# Altium PCB SNES TST.PcbDoc (part 1 of 3) (continued)
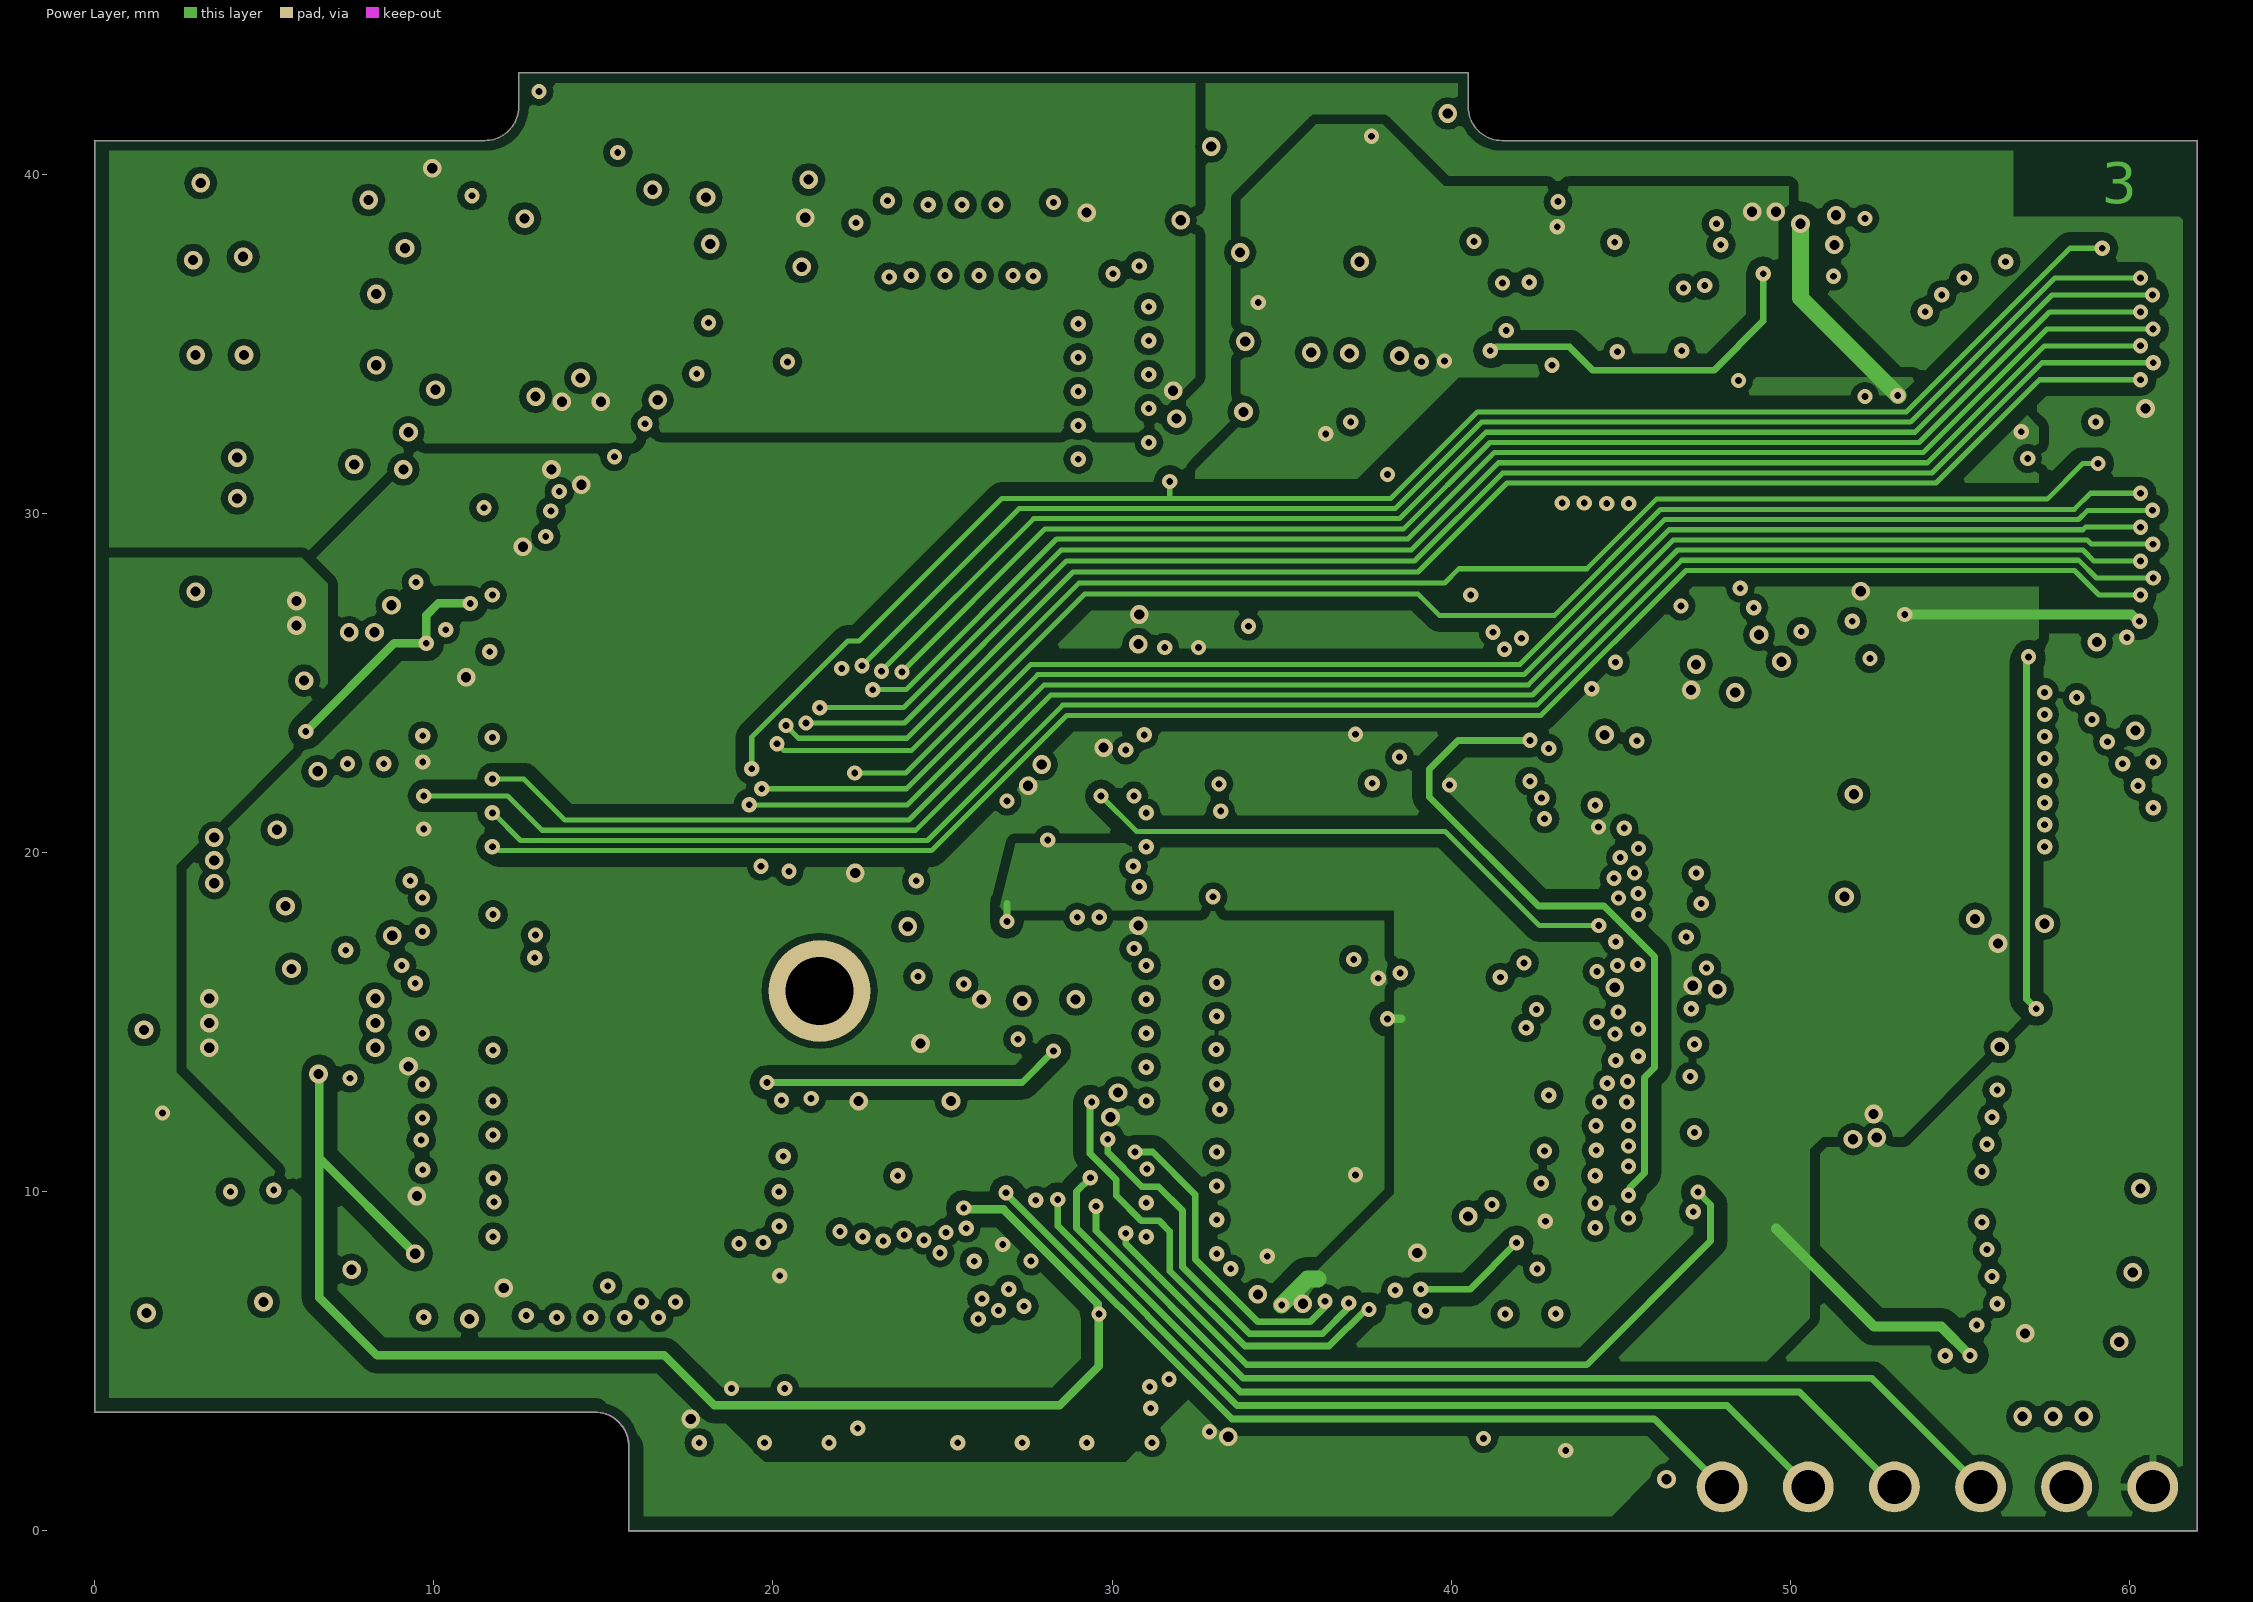
[diagram p3: Power Layer]
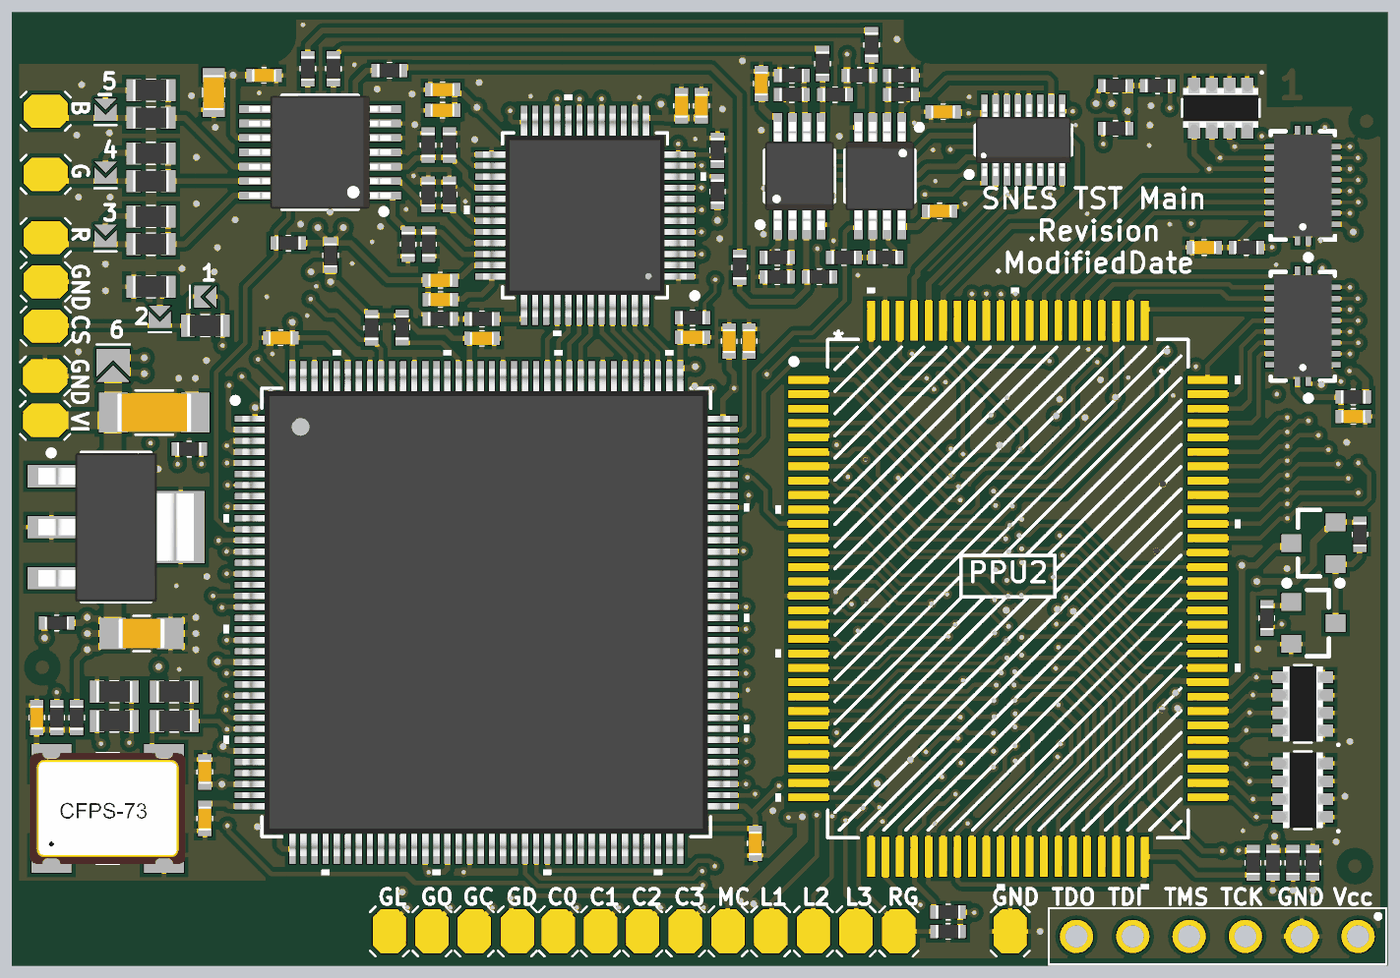
[diagram p6: 3D render of the assembled board from above, using the file's embedded part models]
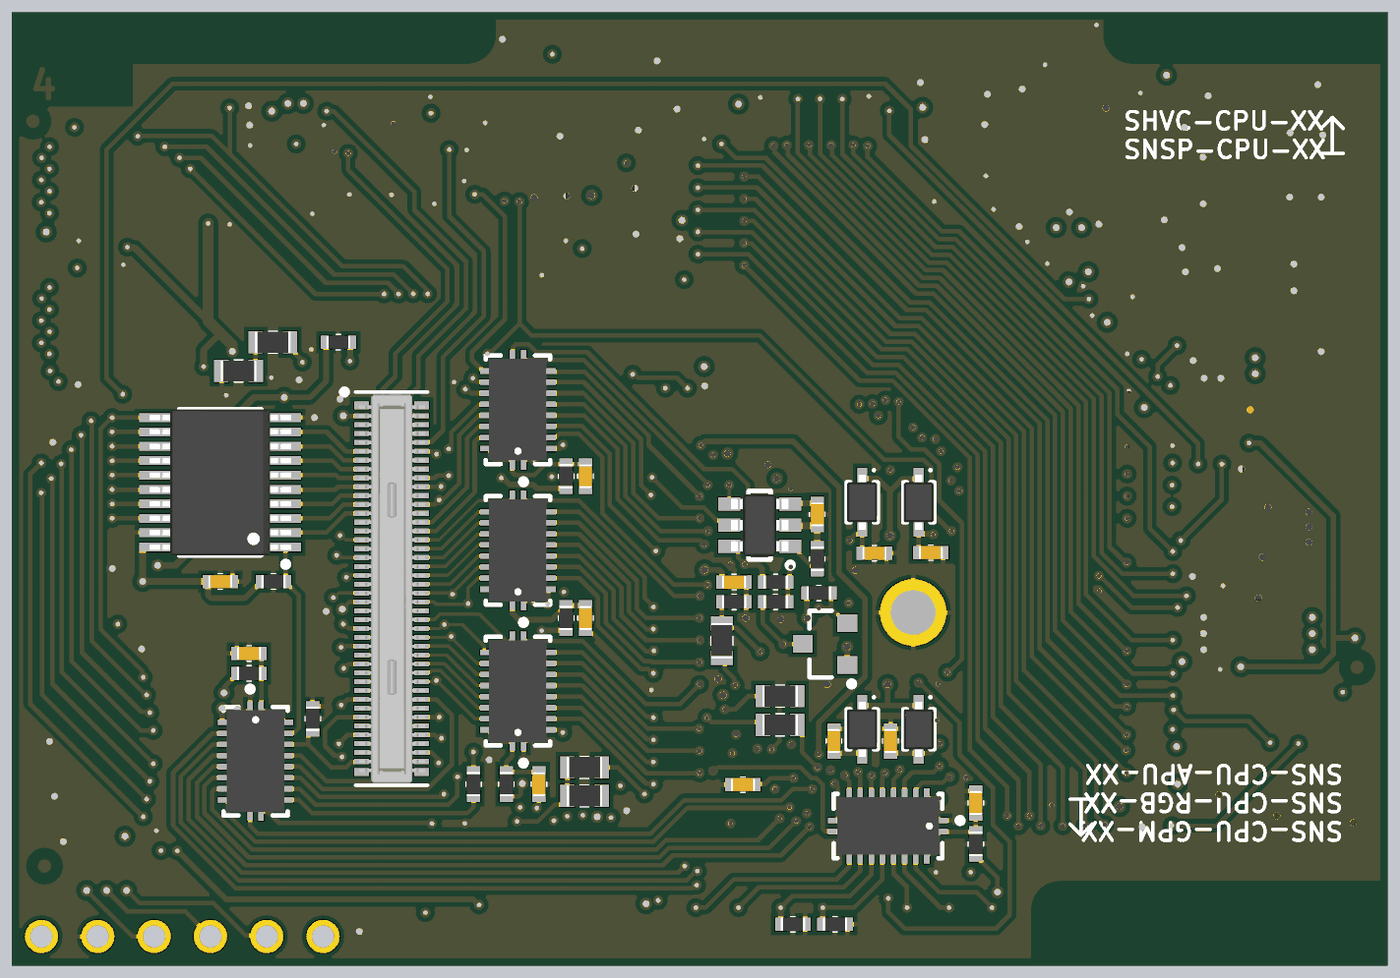
[diagram p7: 3D render of the assembled board from below, using the file's embedded part models]

## Layer stack, top to bottom
Top Solder: solder mask 0.01, Solder Resist, Dk 3.5
Top Layer: signal copper 0.035
Dielectric 4: prepreg 0.07, 1080, Dk 4.6
Dielectric 2: prepreg 0.07, 1080, Dk 4.6
Ground Layer: signal copper 0.035
Dielectric 1: core 1.2, FR-4, Dk 4.8
Power Layer: signal copper 0.035
Dielectric 3: prepreg 0.07, 1080, Dk 4.6
Dielectric 5: prepreg 0.07, 1080, Dk 4.6
Bottom Layer: signal copper 0.035
Bottom Solder: solder mask 0.01, Solder Resist, Dk 3.5

## Board outline
0,41 0,3.5 14.75,3.5 cw(c14.75,2.5) 15.75,2.5 15.75,2.506 15.75,0 62,0 62,41 41.5,41 cw(c41.5,42) 40.5,42 40.5,43 12.5,43 12.5,42 cw(c11.5,42) 11.5,41

## Design rules (kind name [scope] priority, off if disabled: settings)
BoardOutlineClearance BoardOutlineClearance_Overlay [(OnLayer('Top Overlay') OR OnLayer('Bottom Overlay'))] p1: gap=0 ignorepadtopadclearanceinfootprint=FALSE
BoardOutlineClearance [All] p2: gap=0.3 ignorepadtopadclearanceinfootprint=FALSE
Clearance Clearance_PowerPlane_Track [InNetClass('Power') And OnLayer('Power Layer') And Not IsTrack vs istrack] p1: gap=0.4 ignorepadtopadclearanceinfootprint=FALSE
Clearance Clearance_PowerPlane [InNetClass('Power') And OnLayer('Power Layer') vs InNetClass('Power') And OnLayer('Power Layer')] p2: gap=0.3 ignorepadtopadclearanceinfootprint=FALSE
Clearance [All] p3: gap=0.15 ignorepadtopadclearanceinfootprint=FALSE except(0.2: Arc-Poly Track-Poly SMDPad-Poly THPad-Poly Via-Poly Fill-Poly Poly-Poly; 0.25: Arc-Hole Track-Hole SMDPad-Hole THPad-Hole Via-Hole Fill-Hole Poly-Hole Region-Hole Text-Hole)
Height Height_Bot [OnBottom] p1: minheight=0 maxheight=1.5 prefheight=1
Height Height_Top [OnTop] p2: minheight=0 maxheight=3.3 prefheight=2
MinimumAnnularRing [All] p1: minimumring=0.1
MinimumSolderMaskSliver [All] p1: minsoldermaskwidth=0.07
PolygonConnect PolygonConnect_Via [IsVia] p1: connectstyle=Direct reliefconductorwidth=0.254 reliefentries=4 polygonreliefangle="90 Angle" airgapwidth=0.254
PolygonConnect [All] p2: connectstyle=Relief reliefconductorwidth=0.2 reliefentries=4 polygonreliefangle="90 Angle" airgapwidth=0.2
RoutingVias [All] p1: holewidth=0.711 width=1.27 viastyle="Through Hole" minholewidth=0.2 minwidth=0.45 maxholewidth=2 maxwidth=2
SilkToSilkClearance [All] p1: silktosilkclearance=0
SilkToSolderMaskClearance [IsPad] p1: minsilkscreentomaskgap=0.1 clearancetoexposedcopper=TRUE
SolderMaskExpansion SolderMaskExpansion_Via [IsVia] p1: expansion=0.102 istentingtop=TRUE
SolderMaskExpansion [All] p2: expansion=0.05 istentingtop=FALSE
Width Width_0_15 [InNetClass('PA5V[7..0]') OR InNetClass('D5V[7..0]') OR InNetClass('TST3V[15..0]') OR InNetClass('VDA[7..0]')] p1: maxlimit=0.15 minlimit=0.15 preferedwidth=0.15
Width Width_Power [InNetClass('POWER')] p2: maxlimit=0.8 minlimit=0.2 preferedwidth=0.3
Width [All] p3: maxlimit=0.4 minlimit=0.2 preferedwidth=0.25
26 further rules are at their usual default settings.

## Classes and differential pairs
component class "SNES TST Sheet5": 3 C36 C37 FB3 FB4 Fid1 Fid2 Fid3 Fid4 Fid5 Fid6 IC18 JP6 Q2 Q3 R80 R81 R82 R83 TP18 TP19 TP20 TP21
net class POWER: 3.3V 3.3V_A 5V 5V_A VIN
net class VDB[7..0]: VDB0 VDB1 VDB2 VDB3 VDB4 VDB5 VDB6 VDB7
net class VDA[7..0]: VDA0 VDA1 VDA2 VDA3 VDA4 VDA5 VDA6 VDA7
net class TST5V[15..0]: TST5V0 TST5V1 TST5V2 TST5V3 TST5V4 TST5V5 TST5V6 TST5V7 TST5V8 TST5V9 TST5V10 TST5V11 TST5V12 TST5V13 TST5V14 TST5V15
net class TST3V[15..0]: TST3V0 TST3V1 TST3V2 TST3V3 TST3V4 TST3V5 TST3V6 TST3V7 TST3V8 TST3V9 TST3V10 TST3V11 TST3V12 TST3V13 TST3V14 TST3V15
net class RDIG[9..1]: RDIG1 RDIG2 RDIG3 RDIG4 RDIG5 RDIG6 RDIG7 RDIG8 RDIG9
net class PA5V[7..0]: PA5V0 PA5V1 PA5V2 PA5V3 PA5V4 PA5V5 PA5V6 PA5V7
net class PA3V[7..0]: PA3V0 PA3V1 PA3V2 PA3V3 PA3V4 PA3V5 PA3V6 PA3V7
net class GDIG[9..1]: GDIG1 GDIG2 GDIG3 GDIG4 GDIG5 GDIG6 GDIG7 GDIG8 GDIG9
net class D5V[7..0]: D5V0 D5V1 D5V2 D5V3 D5V4 D5V5 D5V6 D5V7
net class D3V[7..0]: D3V0 D3V1 D3V2 D3V3 D3V4 D3V5 D3V6 D3V7
net class CIC3V[3..0]: CIC3V0 CIC3V1 CIC3V2 CIC3V3
net class BDIG[9..1]: BDIG1 BDIG2 BDIG3 BDIG4 BDIG5 BDIG6 BDIG7 BDIG8 BDIG9
component class "SNES TST Sheet3": C18 C19 C20 C21 C22 C23 C24 IC6 IC7 IC8 IC9 IC10 IC11 IC12 R29 R30 R31 R32 R33 R34 R35 R36 R37 R38 R39 R40 R41 R42 R43 TP5 TP6 TP7 TP8 TP9 TP10 TP11 TP12
component class "SNES TST Sheet4": C25 C26 C27 C28 C29 C30 C31 C32 C33 C34 C35 IC13 IC14 IC15 IC16 IC17 JP1 JP2 JP3 JP4 JP5 R44 R45 R46 R47 R48 R49 R50 R51 R52 R53 R54 R55 R56 R57 R58 R59 R60 R61 R62 R63 R64 R65 R66 R67 R68 R69 R70 R71 R72 R73 R74 R75 R76 R77 R78 R79 TP13 TP14 TP15 TP16 TP17
component class "SNES TST Sheet2": C16 C17 FB2 IC3 IC4 IC5 J2 R22 R23 R24 R25 R26 R27 R28
component class "SNES TST Sheet1": C1 C2 C3 C4 C5 C6 C7 C8 C9 C10 C11 C12 C13 C14 C15 D1 D2 D3 D4 FB1 IC1 IC2 J1 R1 R2 R3 R4 R5 R6 R7 R8 R9 R10 R11 R12 R13 R14 R15 R16 R17 R18 R19 R20 R21 TP1 TP2 TP3 TP4

## Components (designator, comment, footprint, x,y, rotation, side; value= is the part's Value field where it differs from the comment)
C1 "100nF" Cap_0402_Chip 8.675,6.625 r270 top
C2 "100nF" Cap_0402_Chip 33.5,5.5 r270 top
C3 "100nF" Cap_0402_Chip 30.675,28.35 r0 top
C4 "100nF" Cap_0402_Chip 12.1,28.325 r180 top
C5 "100nF" Cap_0402_Chip 32.325,28.175 r90 top
C6 "100nF" Cap_0402_Chip 21.175,28.3 r0 top
C7 "10pF" Cap_0402_Chip 22.4,10.125 r90 bottom
C8 "10pF" Cap_0402_Chip 24.95,10.125 r90 bottom
C9 "10pF" Cap_0402_Chip 20.575,18.625 r180 bottom
C10 "10pF" Cap_0402_Chip 23.125,18.6 r180 bottom
C11 "100nF" Cap_0402_Chip 8.675,8.725 r90 top
C12 "100nF" Cap_0402_Chip 33.225,28.175 r90 top
C13 "100nF" Cap_0402_Chip 29.45,17.3 r180 bottom
C14 "100nF" Cap_0402_Chip 29.05,8.15 r0 bottom
C15 "100nF" Cap_0402_Chip 1.1,11.175 r90 top
C16 "100nF" Cap_0402_Chip 25.7,20.35 r90 bottom
C17 "100nF" Cap_0402_Chip 52.625,17.325 r180 bottom
C18 "100nF" Cap_0402_Chip 38.25,8.175 r270 bottom
C19 "100nF" Cap_0402_Chip 60.475,24.775 r0 top
C20 "100nF" Cap_0402_Chip 53.75,32.4 r180 top
C21 "100nF" Cap_0402_Chip 36.15,15.675 r270 bottom
C22 "100nF" Cap_0402_Chip 36.15,22.075 r90 bottom
C23 "100nF" Cap_0402_Chip 18.55,7.325 r270 bottom
C24 "100nF" Cap_0402_Chip 51.325,14.075 r0 bottom
C25 "100nF" Cap_0402_Chip 41.825,34.05 r0 top
C26 "100nF" Cap_0402_Chip 33.775,39.8 r90 top
C27 "100nF" Cap_0402_Chip 41.975,38.525 r180 top
C28 "100nF" Cap_0402_Chip 19.3,30.05 r0 top
C29 "100nF" Cap_0402_Chip 19.3,30.925 r0 top
C30 "100nF" Cap_0402_Chip 30.175,38.8 r270 top
C31 "10nF" Cap_0402_Chip 31.075,38.8 r270 top
C32 "100nF" Cap_0402_Chip 19.4,39.525 r0 top
C33 "10nF" Cap_0402_Chip 19.4,38.6 r0 top
C34 "10nF" Cap_0402_Chip 11.35,40.175 r180 top
C35 "1uF" Cap_0603_Chip 9.075,39.4 r90 top
C36 "10uF" Cap_0805_Chip 5.825,14.975 r180 top
C37 "10uF" Cap_1206_Chip 6.4,24.95 r180 top
D1 "Schottky Diode" SOD323 21.125,10.65 r270 bottom
D2 "Schottky Diode" SOD323 23.675,10.65 r270 bottom
D3 "Schottky Diode" SOD323 21.125,20.9 r270 bottom
D4 "Schottky Diode" SOD323 23.675,20.9 r270 bottom
FB1 "1800Ohm  200mA" Ind_0402_Chip 2,15.45 r180 top
FB2 "1800Ohm  200mA" Ind_0402_Chip 47.3,28.125 r180 bottom
FB3 "1800Ohm  200mA" Ind_0402_Chip 49.75,39.7 r180 top
FB4 "1800Ohm  200mA" Ind_0402_Chip 14.35,32.05 r90 top
Fid1 "Fiducial" Fiducial_1_side 1.35,13.45 r90 top
Fid2 "Fiducial" Fiducial_1_side 60.55,4.475 r90 top
Fid3 "Fiducial" Fiducial_1_side 61.075,38.1 r90 top
Fid4 "Fiducial" Fiducial_1_side 1.35,13.45 r90 bottom
Fid5 "Fiducial" Fiducial_1_side 60.55,4.475 r90 bottom
Fid6 "Fiducial" Fiducial_1_side 61.075,38.1 r90 bottom
IC1 "10M04SAE144C8G" EQFP-144_A:1P65_ 21.375,15.925 r0 top locked
IC2 "17.734475 MHz" "Quarz 7.5mm" 4.3,7.075 r0 top
IC3 "TMUX1219" SOT23-6 28.298,19.864 r0 bottom
IC4 "SNES PPU2" PPU100Pin 44.9,17 r0 top
IC5 "SN74HCT541" "TSSOP20 Narrow" 52.625,21.8 r0 bottom
IC6 "LSF0108" VQFN20 39.2,12.375 r0 bottom
IC7 "LSF0108" VQFN20 58.2,28.85 r180 top
IC8 "LSF0108" VQFN20 39.2,18.725 r0 bottom
IC9 "LSF0108" VQFN20 58.2,35.2 r180 top
IC10 "LSF0108" VQFN20 39.2,25.075 r0 bottom
IC11 "LSF0108" VQFN20 22.51,6.283 r270 bottom
IC12 "LSF0108" VQFN20 51.032,9.215 r180 bottom
IC13 "OPA2356" MSOP8 39.125,35.625 r270 top
IC14 "TMUX1574" SOT-23THIN16 45.6,37.25 r90 top
IC15 "OPA2356" MSOP8 35.5,35.625 r90 top
IC16 "ADV7123" ST_48_ADI 25.825,33.85 r180 top
IC17 "THS7374" TSSOP14 13.875,36.7 r180 top
IC18 "MCP1703T" SOT223-3 4.675,19.775 r0 top
J1 "Conn 6P" Con6P 54.34,1.3 r180 top
J2 "80Pole Connector" DF40C-80DP 44.9,17 r270 bottom
JP1 "Jumper" Jumper 8.7,30.175 r90 top
JP2 "Jumper" Jumper 6.65,29.275 r180 top
JP3 "Jumper" Jumper 4.2,32.925 r180 top
JP4 "Jumper" Jumper 4.2,35.775 r180 top
JP5 "Jumper" Jumper 4.2,38.625 r180 top
JP6 "Jumper" "Jumper Big" 4.55,27.075 r0 top
Q1 "IRLML6402" SOT23_FET 58.675,19.05 r180 top
Q2 "MMBT3904" SOT23_Transistor 58.675,15.45 r0 top
Q3 "BSS138" SOT23_FET 25.35,14.5 r0 bottom
R1 "1k" Res_0402_Chip 7.975,23.3 r0 top
R2 "10k" Res_0402_Chip 56.85,4.625 r270 top
R3 "10k" Res_0402_Chip 57.75,4.625 r270 top
R4 "1k" Res_0402_Chip 58.65,4.625 r90 top
R5 "10k" Res_0402_Chip 17.572,28.786 r270 top
R6 "470R" Res_0603_Chip 4.6,11.025 r180 top
R7 "470R" Res_0603_Chip 4.6,12.35 r180 top
R8 "300R" Res_0603_Chip 30,14.65 r90 bottom
R9 "0R" Res_0402_Chip 2,11.175 r270 top
R10 "0R" Res_0402_Chip 2.9,11.175 r270 top
R11 "300R" Res_0603_Chip 27.375,12.15 r180 bottom
R12 "470R" Res_0603_Chip 7.3,11.025 r180 top
R13 "300R" Res_0603_Chip 27.375,10.85 r180 bottom
R14 "470R" Res_0603_Chip 7.3,12.35 r180 top
R15 "33R" Res_0603_Chip 50.25,28.125 r180 bottom
R16 "100R" Res_0603_Chip 51.8,26.825 r0 bottom
R17 "10k" Res_0402_Chip 29.45,16.4 r0 bottom
R18 "10k" Res_0402_Chip 30.675,29.225 r0 top
R19 "10k" Res_0402_Chip 16.2,28.775 r270 top
R20 "33R" Res_0603_Chip 36.2,8.925 r180 bottom
R21 "300R" Res_0603_Chip 36.2,7.65 r180 bottom
R22 "1.8k" Res_0402_Chip 25.7,18.35 r270 bottom
R23 "10k" 1206_Array_Chip 54.5,38.7 r270 top
R24 "1.8k" Res_0402_Chip 50.225,17.325 r180 bottom
R25 "1.8k" Res_0402_Chip 51.65,39.7 r0 top
R26 "10k" 1206_Array_Chip 58.2,11.8 r180 top
R27 "10k" 1206_Array_Chip 58.2,7.9 r180 top
R28 "1k" Res_0402_Chip 41.2,8.175 r90 bottom
R29 "200k" Res_0402_Chip 39.725,8.175 r270 bottom
R30 "200k" Res_0402_Chip 60.475,25.65 r0 top
R31 "200k" Res_0402_Chip 55.65,32.4 r0 top
R32 "200k" Res_0402_Chip 37.025,15.675 r270 bottom
R33 "1.8k" Res_0402_Chip 49.75,37.775 r180 top
R34 "1.8k" Res_0402_Chip 27.575,17.3 r0 bottom
R35 "200k" Res_0402_Chip 37.025,22.075 r90 bottom
R36 "200k" Res_0402_Chip 18.55,5.475 r90 bottom
R37 "200k" Res_0402_Chip 51.325,13.175 r0 bottom
R38 "1.8k" Res_0402_Chip 55.95,4.625 r270 top
R39 "1.8k" Res_0402_Chip 42.2,1.525 r180 top
R40 "1.8k" Res_0402_Chip 42.2,2.4 r180 top
R41 "10k" Res_0402_Chip 26.8,1.85 r0 bottom
R42 "10k" Res_0402_Chip 24.9,1.85 r0 bottom
R43 "10k" Res_0402_Chip 48.45,11.125 r90 bottom
R44 "470R" Res_0603_Chip 8.7,28.875 r180 top
R45 "1.24k" Res_0402_Chip 37.5,31.95 r0 top
R46 "619R" Res_0402_Chip 39.375,31.95 r180 top
R47 "91R" Res_0603_Chip 6.25,30.625 r0 top
R48 "100k" Res_0402_Chip 38.2,40.175 r180 top
R49 "0R" Res_0402_Chip 38.75,41.55 r90 top
R50 "1k" Res_0402_Chip 13.325,40.475 r270 top
R51 "237R" Res_0402_Chip 40.075,40.175 r180 top
R52 "619R" Res_0402_Chip 40.075,39.3 r0 top
R53 "100k" Res_0402_Chip 37.1,39.3 r0 top
R54 "0R" Res_0402_Chip 36.539,40.704 r90 top
R55 "1k" Res_0402_Chip 14.475,40.475 r270 top
R56 "237R" Res_0402_Chip 35.15,40.175 r0 top
R57 "619R" Res_0402_Chip 35.15,39.3 r0 top
R58 "10k" Res_0402_Chip 31.8,34.925 r270 top
R59 "100k" Res_0402_Chip 36.4,31.075 r0 top
R60 "0R" Res_0402_Chip 32.8,31.5 r90 top
R61 "470R" Res_0402_Chip 21.175,29.175 r180 top
R62 "11R" Res_0402_Chip 19.3,29.175 r180 top
R63 "1k" Res_0402_Chip 17,40.4 r180 top
R64 "237R" Res_0402_Chip 34.5,31.075 r180 top
R65 "619R" Res_0402_Chip 34.5,31.95 r180 top
R66 "10k" Res_0402_Chip 31.799,36.792 r270 top
R67 "75R" Res_0603_Chip 6.25,33.8 r180 top
R68 "75R" Res_0603_Chip 6.25,32.55 r180 top
R69 "75R" Res_0603_Chip 6.25,36.65 r180 top
R70 "75R" Res_0603_Chip 6.25,35.4 r180 top
R71 "75R" Res_0402_Chip 18.775,32.55 r90 top
R72 "75R" Res_0402_Chip 19.7,34.8 r270 top
R73 "75R" Res_0402_Chip 19.7,37.025 r270 top
R74 "75R" Res_0402_Chip 17.85,32.55 r90 top
R75 "75R" Res_0402_Chip 18.75,34.8 r270 top
R76 "75R" Res_0402_Chip 18.75,37.025 r270 top
R77 "75R" Res_0603_Chip 6.25,39.5 r180 top
R78 "10k" Res_0402_Chip 12.45,32.6 r180 top
R79 "75R" Res_0603_Chip 6.25,38.25 r180 top
R80 "3.3k" Res_0402_Chip 60.775,19.45 r270 top
R81 "100k" Res_0402_Chip 56.575,15.675 r90 top
R82 "3.3k" Res_0402_Chip 27.575,16.4 r180 bottom
R83 "3.3k" Res_0402_Chip 25.625,16.8 r0 bottom
TP1 "Pin Connector" "Pin Connector Small" 32.275,1.525 r180 top
TP2 "Pin Connector" "Pin Connector Small" 38.05,1.525 r180 top
TP3 "Pin Connector" "Pin Connector Small" 36.125,1.525 r180 top
TP4 "Pin Connector" "Pin Connector Small" 34.2,1.525 r180 top
TP5 "Pin Connector" "Pin Connector Small" 17,1.525 r180 top
TP6 "Pin Connector" "Pin Connector Small" 18.925,1.525 r180 top
TP7 "Pin Connector" "Pin Connector Small" 20.825,1.525 r180 top
TP8 "Pin Connector" "Pin Connector Small" 24.625,1.525 r180 top
TP9 "Pin Connector" "Pin Connector Small" 26.525,1.525 r180 top
TP10 "Pin Connector" "Pin Connector Small" 28.425,1.525 r180 top
TP11 "Pin Connector" "Pin Connector Small" 30.35,1.525 r180 top
TP12 "Pin Connector" "Pin Connector Small" 39.975,1.525 r180 top
TP13 "Pin Connector" "Pin Connector Small" 1.5,28.85 r90 top
TP14 "Pin Connector" "Pin Connector Small" 1.5,32.85 r90 top
TP15 "Pin Connector" "Pin Connector Small" 1.5,35.7 r90 top
TP16 "Pin Connector" "Pin Connector Small" 1.5,38.55 r90 top
TP17 "Pin Connector" "Pin Connector Small" 1.5,30.85 r90 top
TP18 "Pin Connector" "Pin Connector Small" 1.475,24.6 r90 top
TP19 "Pin Connector" "Pin Connector Small" 1.475,26.6 r90 top
TP20 "Pin Connector" "Pin Connector Small" 45,1.525 r180 top